# KiCad board HYDRA_VMM3_Adapter_V3.kicad_pcb (continued)
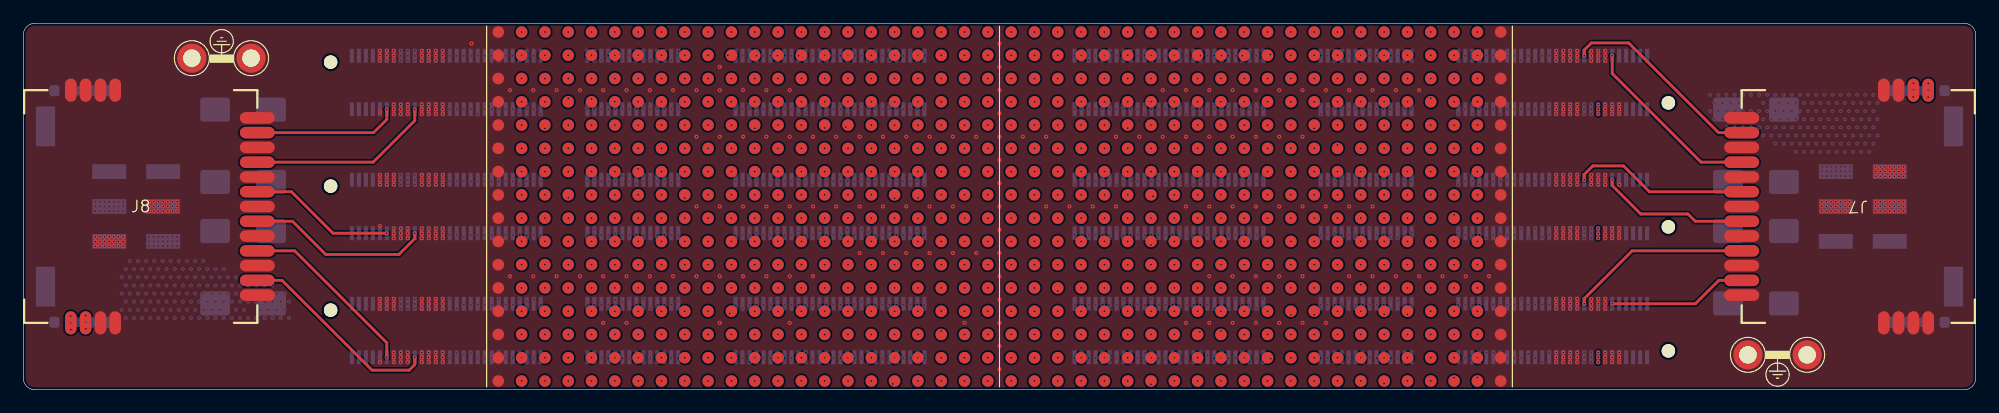
[diagram p0: board, top side]
## Routing (per net, layer and track width the routed paths; a pad name or vN(x,y) marks a point on that pad's centre or on a via; arc(x,y) is an arc through that point) (continued)
Col_32-Row_15: length 9.2
  In1.Cu w0.1: v6(111.31,2.7) 111.31,2.73 110.56,3.47 103.47,3.47 v1(102.75,2.75)
Col_32-Row_16: length 4.3
  In1.Cu w0.1: v1(102.75,0.75) 104.12,0.75 105.78,2.4 v6(106.4,2.4)
Col_33-Row_1: length 2.2
  In5.Cu w0.1: v7(104.75,30.75) 105.19,30.3 v3(105.19,28.71)
Col_33-Row_2:
  vias: v8(104.59,28.71)
Col_33-Row_3: length 2.3
  In5.Cu w0.1: v3(104,28.71) 104,27.5 v7(104.75,26.75)
Col_33-Row_4: length 1.9
  In1.Cu w0.1: v6(106.4,24.11) 105.39,24.11 v1(104.75,24.75)
Col_33-Row_5: length 7
  In1.Cu w0.1: v1(104.75,22.75) 105.71,23.71 v6(111.31,23.71)
Col_33-Row_6: length 10.3
  In5.Cu w0.1: v7(104.75,20.75) 105.37,20.13 111.86,20.13 113.71,18.28 v3(113.71,17.91)
Col_33-Row_7: length 8.6
  In3.Cu w0.1: v5(113.11,18.1) 112.91,18.29 105.21,18.29 v4(104.75,18.75)
Col_33-Row_8: length 8.2
  In5.Cu w0.1: v3(112.5,17.91) 112.12,17.52 105.52,17.52 v7(104.75,16.75)
Col_33-Row_9: length 1.8
  In5.Cu w0.1: v7(104.75,14.75) 104,13.99 v3(104,13.31)
Col_33-Row_10: length 1.2
  In1.Cu w0.1: v1(104.75,12.75) 104.59,12.91 v6(104.59,13.84)
Col_33-Row_11: length 2.7
  In5.Cu w0.1: v7(104.75,10.75) 105.19,11.19 v3(105.19,13.31)
Col_33-Row_12: length 2
  In1.Cu w0.1: v6(106.4,7.8) 105.7,7.8 v1(104.75,8.75)
Col_33-Row_13: length 6.8
  In1.Cu w0.1: v1(104.75,6.75) 105.31,7.31 v6(111.31,7.31)
Col_33-Row_14: length 9.8
  In3.Cu w0.1: v5(113.71,2.71) 112.19,4.22 105.28,4.22 v4(104.75,4.75)
Col_33-Row_15: length 9.1
  In3.Cu w0.1: v4(104.75,2.75) 105.61,3.61 112.21,3.61 v5(113.1,2.71)
Col_33-Row_16: length 8.6
  In5.Cu w0.1: v3(112.5,2.71) 111.68,1.89 105.89,1.89 v7(104.75,0.75)
Col_34-Row_1: length 5.4
  In5.Cu w0.1: v7(106.75,30.75) 108.79,28.71 v3(111.31,28.71)
Col_34-Row_2: length 0.7
  In5.Cu w0.1: v7(107,28.81) 106.5,28.81 v3(106.4,28.71)
Col_34-Row_3: length 2.4
  In5.Cu w0.1: v7(106.75,26.75) 106.75,27.75 v3(105.8,28.71)
Col_34-Row_4: length 5.4
  In5.Cu w0.1: v3(111.91,24.11) 107.39,24.11 v7(106.75,24.75)
Col_34-Row_5: length 6.3
  In5.Cu w0.1: v7(106.75,22.75) 107.29,23.29 111.69,23.29 v3(112.5,24.11)
Col_34-Row_6: length 9.9
  In5.Cu w0.1: v7(106.75,20.75) 107.11,20.39 113.03,20.39 v3(115.5,17.91)
Col_34-Row_7: length 8.9
  In1.Cu w0.1: v6(114.91,17.91) 113.62,19.19 107.19,19.19 v1(106.75,18.75)
Col_34-Row_8: length 8
  In3.Cu w0.1: v4(106.75,16.75) 107.38,17.38 112.67,17.38 112.9,17.61 114.03,17.61 v5(114.31,17.89)
Col_34-Row_9: length 1.8
  In5.Cu w0.1: v7(106.75,14.75) 105.8,13.79 v3(105.8,13.31)
Col_34-Row_10: length 1.2
  In1.Cu w0.1: v6(106.4,13.83) 106.75,13.47 v1(106.75,12.75)
Col_34-Row_11: length 5.6
  In5.Cu w0.1: v3(111.31,13.31) 109.97,13.31 107.41,10.75 v7(106.75,10.75)
Col_34-Row_12: length 5.8
  In5.Cu w0.1: v3(111.91,7.31) 111.5,7.71 107.79,7.71 v7(106.75,8.75)
Col_34-Row_13: length 6
  In5.Cu w0.1: v3(112.5,7.31) 112.13,6.93 107.03,6.93 106.98,6.98 v7(106.75,6.75)
Col_34-Row_14: length 10.3
  In3.Cu w0.1: v5(115.5,2.79) 115.5,3.38 113.64,5.25 107.25,5.25 v4(106.75,4.75)
Col_34-Row_15: length 8.2
  In3.Cu w0.1: v5(114.91,2.71) 114.52,2.32 107.37,2.32 v4(107.03,2.67)
Col_34-Row_16: length 8.4
  In5.Cu w0.1: v3(114.31,2.79) 114.31,2.78 112.95,1.42 107.42,1.42 v7(106.75,0.75)
Col_35-Row_1: length 5.2
  In5.Cu w0.1: v7(108.75,30.75) 109.72,30.75 110.78,29.69 112.12,29.69 v3(113.1,28.71)
Col_35-Row_2: length 4.2
  In1.Cu w0.1: v6(112.5,28.31) 112.19,27.99 109.51,27.99 v1(108.75,28.75)
Col_35-Row_3: length 4
  In3.Cu w0.1: v4(108.75,26.75) 109.94,26.75 v5(111.91,28.71)
Col_35-Row_4: length 4.8
  In5.Cu w0.1: v7(108.75,24.75) 109.02,25.02 112.19,25.02 v3(113.1,24.11)
Col_35-Row_5: length 5.5
  In5.Cu w0.1: v7(108.75,22.75) 109.01,23.01 112.6,23.01 v3(113.71,24.11)
Col_35-Row_6: length 10.2
  In3.Cu w0.1: v4(108.75,20.75) 109.5,20 115.99,20 117.31,18.68 v5(117.31,17.91)
Col_35-Row_7: length 8.5
  In3.Cu w0.1: v5(116.71,18.05) 115.69,19.07 109.07,19.07 v4(108.75,18.75)
Col_35-Row_8: length 7.9
  In3.Cu w0.1: v4(108.75,16.75) 109.13,17.13 112.78,17.13 113.01,17.36 115.41,17.36 v5(116.1,18.05)
Col_35-Row_9: length 3.8
  In5.Cu w0.1: v3(111.91,13.31) 111.22,14 109.5,14 v7(108.75,14.75)
Col_35-Row_10: length 4.4
  In1.Cu w0.1: v1(108.75,12.75) 109.22,12.28 111.31,12.28 v6(112.5,13.48)
Col_35-Row_11: length 5.4
  In5.Cu w0.1: v7(108.75,10.75) 110.55,10.75 v3(113.1,13.31)
Col_35-Row_12: length 4.9
  In1.Cu w0.1: v1(108.75,8.75) 109.25,8.25 112.24,8.25 v6(113.1,7.39)
Col_35-Row_13: length 5.5
  In3.Cu w0.1: v4(108.75,6.44) 110.1,7.79 v5(113.71,7.79)
Col_35-Row_14: length 9.4
  In5.Cu w0.1: v3(117.31,2.71) 116.27,3.75 110.83,3.75 109.83,4.75 v7(108.75,4.75)
Col_35-Row_15: length 8.5
  In5.Cu w0.1: v3(116.71,2.71) 116.04,3.37 109.37,3.37 v7(108.75,2.75)
Col_35-Row_16: length 8.2
  In5.Cu w0.1: v7(108.75,0.75) 108.86,0.86 114.15,0.86 116,2.71 v3(116.1,2.71)
Col_36-Row_1: length 5
  In5.Cu w0.1: v3(114.91,28.71) 113.66,29.96 112.39,29.96 111.59,30.75 v7(110.75,30.75)
Col_36-Row_2: length 4
  In3.Cu w0.1: v4(110.75,28.75) 111.23,29.23 113.78,29.23 v5(114.31,28.71)
Col_36-Row_3: length 3.8
  In5.Cu w0.1: v7(110.75,26.75) 111.75,26.75 v3(113.71,28.71)
Col_36-Row_4: length 3.8
  In1.Cu w0.1: v1(110.75,24.75) 111.13,24.37 114.04,24.37 v6(114.31,24.11)
Col_36-Row_5: length 4.8
  In5.Cu w0.1: v3(114.91,24.11) 114.43,23.64 113.6,23.64 112.42,22.46 v7(110.75,22.46)
Col_36-Row_6: length 9.5
  In3.Cu w0.1: v5(119.1,17.91) 118.91,17.91 116.47,20.35 111.15,20.35 v4(110.75,20.75)
Col_36-Row_7: length 9.2
  In1.Cu w0.1: v2(113.8,16.62) 113.79,16.62 111.66,18.75 v1(110.75,18.75)
  In5.Cu w0.1: v2(113.8,16.62) 113.85,16.56 117.16,16.56 v3(118.5,17.91)
Col_36-Row_8: length 7.6
  In5.Cu w0.1: v7(110.75,16.75) 110.99,16.99 116.99,16.99 v3(117.91,17.91)
Col_36-Row_9: length 3.6
  In5.Cu w0.1: v7(110.75,14.75) 112.27,14.75 v3(113.71,13.31)
Col_36-Row_10: length 4.6
  In1.Cu w0.1: v6(114.31,13.31) 113.76,13.85 111.25,13.85 110.75,13.36 v1(110.75,12.75)
Col_36-Row_11: length 5.2
  In3.Cu w0.1: v4(110.75,10.75) 112.34,12.34 113.93,12.34 v5(114.91,13.31)
Col_36-Row_12: length 5
  In1.Cu w0.1: v1(110.75,8.75) 111.22,9.22 113.15,9.22 114.31,8.06 v6(114.31,7.31)
Col_36-Row_13: length 4.5
  In5.Cu w0.1: v7(110.75,6.45) 114.05,6.45 v3(114.91,7.31)
Col_36-Row_14: length 9.2
  In1.Cu w0.1: v2(117.61,3.91) 111.59,3.91 v1(110.75,4.75)
  In5.Cu w0.1: v3(119.1,2.71) 117.9,3.91 v2(117.61,3.91)
Col_36-Row_15: length 9.5
  In1.Cu w0.1: v2(118.34,1.63) 118.1,1.87 111.05,1.87 110.75,2.16 v1(110.75,2.75)
  In5.Cu w0.1: v2(118.34,1.63) 118.34,2.54 v3(118.5,2.71)
Col_36-Row_16: length 8
  In1.Cu w0.1: v2(116.21,1.44) 111.91,1.44 111.22,0.75 v1(110.75,0.75)
  In5.Cu w0.1: v2(116.21,1.44) 116.64,1.44 v3(117.91,2.71)
Col_37-Row_1: length 4.8
  In5.Cu w0.1: v3(116.71,28.71) 115.43,29.99 114.52,29.99 113.75,30.75 v7(112.75,30.75)
Col_37-Row_2: length 3.6
  In1.Cu w0.1: v6(116.1,28.71) 115.77,28.38 113.12,28.38 v1(112.75,28.75)
Col_37-Row_3: length 3.6
  In5.Cu w0.1: v3(115.5,28.71) 113.55,26.75 v7(112.75,26.75)
Col_37-Row_4: length 4.5
  In3.Cu w0.1: v5(116.71,24.11) 115.78,25.03 113.03,25.03 v4(112.75,24.75)
Col_37-Row_5: length 3.9
  In1.Cu w0.1: v6(116.1,24.11) 115.22,24.11 113.85,22.75 v1(112.75,22.75)
Col_37-Row_6: length 4.5
  In3.Cu w0.1: v4(112.75,21.04) 112.75,21.8 115.06,24.11 v5(115.5,24.11)
Col_37-Row_7: length 11.7
  In1.Cu w0.1: v1(112.75,18.75) 114.02,17.48 123.28,17.48 v6(123.72,17.91)
Col_37-Row_8: length 10.7
  In3.Cu w0.1: v4(112.75,16.75) 113.11,17.11 119.13,17.11 119.68,17.65 v5(123.12,17.65)
Col_37-Row_9: length 3.1
  In1.Cu w0.1: v6(115.5,13.82) 114.62,13.82 113.69,14.75 v1(112.75,14.75)
Col_37-Row_10: length 4.2
  In1.Cu w0.1: v2(114.43,12.07) 113.88,12.07 113.21,12.75 v1(112.75,12.75)
  In5.Cu w0.1: v3(116.1,13.31) 114.87,12.07 v2(114.43,12.07)
Col_37-Row_11: length 5
  In5.Cu w0.1: v7(112.75,10.75) 114.11,10.75 116.67,13.31 v3(116.71,13.31)
Col_37-Row_12: length 3.4
  In5.Cu w0.1: v3(115.5,7.31) 114.06,8.75 v7(112.75,8.75)
Col_37-Row_13: length 3.6
  In3.Cu w0.1: v4(112.75,6.75) 115.55,6.75 v5(116.1,7.31)
Col_37-Row_14: length 12.9
  In5.Cu w0.1: v7(112.75,4.75) 113.34,5.34 119.81,5.34 120.72,4.44 122.59,4.44 v3(124.31,2.71)
Col_37-Row_15: length 12.3
  In1.Cu w0.1: v2(119.71,1.56) 119.02,2.25 112.99,2.25 112.75,2.48 v1(112.75,2.75)
  In5.Cu w0.1: v3(123.72,2.71) 122.34,1.34 119.93,1.34 v2(119.71,1.56)
Col_37-Row_16: length 11.6
  In3.Cu w0.1: v9(120.81,1.78) 120.25,2.33 114.88,2.33 113.3,0.75 v4(112.75,0.75)
  In5.Cu w0.1: v3(123.12,2.71) 122.18,1.78 v9(120.81,1.78)
Col_38-Row_1: length 5.2
  In5.Cu w0.1: v3(119.1,28.71) 117.06,30.75 v7(114.75,30.75)
Col_38-Row_2: length 3.7
  In1.Cu w0.1: v6(117.91,28.71) 117.91,28.72 117.28,29.35 115.35,29.35 v1(114.75,28.75)
Col_38-Row_3: length 3.4
  In5.Cu w0.1: v3(117.31,28.71) 115.34,26.75 v7(114.75,26.75)
Col_38-Row_4: length 4.3
  In1.Cu w0.1: v1(114.75,24.75) 115.12,25.12 117.48,25.12 v2(117.5,25.1)
  In5.Cu w0.1: v2(117.5,25.1) 117.52,25.1 v3(118.5,24.11)
Col_38-Row_5: length 3.7
  In3.Cu w0.1: v5(117.91,24.11) 116.55,22.75 v4(114.75,22.75)
Col_38-Row_6: length 4.4
  In5.Cu w0.1: v3(117.31,24.11) 114.75,21.55 v7(114.75,20.75)
Col_38-Row_7: length 11
  In1.Cu w0.1: v1(114.75,18.75) 115.19,19.19 121.31,19.19 v10(121.65,18.85)
  In3.Cu w0.1: v5(124.91,17.65) 124.19,18.38 122.12,18.38 v10(121.65,18.85)
Col_38-Row_8: length 10.2
  In1.Cu w0.1: v2(119.85,17.02) 119.67,17.21 115.21,17.21 v1(114.75,16.75)
  In5.Cu w0.1: v3(124.31,17.91) 123.61,17.21 120.04,17.21 v2(119.85,17.02)
Col_38-Row_9: length 3.2
  In5.Cu w0.1: v3(117.31,13.31) 115.87,14.75 v7(114.75,14.75)
Col_38-Row_10: length 4
  In1.Cu w0.1: v1(114.75,12.75) 114.99,12.75 116.19,13.96 117,13.96 v6(117.91,13.05)
Col_38-Row_11: length 5.6
  In3.Cu w0.1: v5(118.5,13.85) 116.97,13.85 114.75,11.63 v4(114.75,10.75)
Col_38-Row_12: length 2.7
  In5.Cu w0.1: v7(114.75,9.03) 114.99,9.03 v3(116.71,7.31)
Col_38-Row_13: length 3
  In1.Cu w0.1: v1(114.75,6.75) 115.79,7.79 v6(117.31,7.79)
Col_38-Row_14: length 12.1
  In1.Cu w0.1: v2(121.57,3.52) 121.62,3.57 125.72,3.57 v6(126.12,3.18)
  In5.Cu w0.1: v7(114.75,4.75) 115.16,4.34 119.61,4.34 120.42,3.52 v2(121.57,3.52)
Col_38-Row_15: length 11.8
  In1.Cu w0.1: v1(114.75,2.75) 115.43,3.43 118.58,3.43 v10(119.06,3.91) ; v6(125.52,3.18) 125.49,3.15 121.91,3.15 v10(121.66,2.89)
  In3.Cu w0.1: v10(119.06,3.91) 120.63,3.91 v10(121.66,2.89)
Col_38-Row_16: length 11
  In5.Cu w0.1: v3(124.91,2.71) 123.16,0.95 114.95,0.95 v7(114.75,0.75)
Col_39-Row_1: length 7.8
  In1.Cu w0.1: v6(123.72,28.71) 122.05,30.38 117.12,30.38 v1(116.75,30.75)
Col_39-Row_2: length 7.1
  In1.Cu w0.1: v1(116.75,28.75) 117.6,27.89 v2(122.31,27.89)
  In5.Cu w0.1: v3(123.12,28.71) 122.31,27.91 v2(122.31,27.89)
Col_39-Row_3: length 2.7
  In5.Cu w0.1: v7(116.75,26.75) 118.5,28.5 v3(118.5,28.71)
Col_39-Row_4: length 7.2
  In1.Cu w0.1: v1(116.75,24.75) 117.39,24.11 v6(123.72,24.11)
Col_39-Row_5: length 6.8
  In1.Cu w0.1: v1(116.75,22.75) 117.71,23.71 v6(123.12,23.71)
Col_39-Row_6: length 4.3
  In5.Cu w0.1: v7(116.75,20.75) 116.75,21.75 v3(119.1,24.11)
Col_39-Row_7: length 9.7
  In1.Cu w0.1: v6(126.12,17.91) 125.71,18.32 117.18,18.32 v1(116.75,18.75)
Col_39-Row_8: length 9.7
  In1.Cu w0.1: v2(117.78,16.55) 116.95,16.55 v1(116.75,16.75)
  In5.Cu w0.1: v2(117.78,16.55) 117.79,16.55 124.6,16.55 125.52,17.46 v3(125.52,17.91)
Col_39-Row_9: length 2.9
  In1.Cu w0.1: v6(119.1,13.54) 117.96,13.54 v1(116.75,14.75)
Col_39-Row_10: length 6.8
  In3.Cu w0.1: v5(123.12,13.61) 120.15,13.61 119.21,12.67 116.83,12.67 v4(116.75,12.75)
Col_39-Row_11: length 8
  In5.Cu w0.1: v3(123.72,13.31) 123.2,12.79 120.31,12.79 118.27,10.75 v7(116.75,10.75)
Col_39-Row_12: length 1.6
  In5.Cu w0.1: v3(117.91,7.66) 117.91,7.72 116.88,8.75 v7(116.75,8.75)
Col_39-Row_13: length 2.1
  In5.Cu w0.1: v3(118.5,7.31) 117.66,6.47 v7(116.75,6.47)
Col_39-Row_14: length 13.4
  In1.Cu w0.1: v2(116.75,5.72) 116.75,5.71 v1(116.75,4.75)
  In5.Cu w0.1: v3(127.91,2.71) 125.86,4.76 120.74,4.76 119.79,5.72 v2(116.75,5.72)
Col_39-Row_15: length 11.9
  In1.Cu w0.1: v1(116.75,2.75) 117.14,3.14 119.23,3.14 120.37,4.28 123.74,4.28 v15(123.85,4.39)
  In5.Cu w0.1: v15(123.85,4.39) 124.27,3.97 126.06,3.97 v3(127.31,2.71)
Col_39-Row_16: length 10.9
  In5.Cu w0.1: v3(126.72,2.71) 124.53,0.53 v7(116.75,0.53)
Col_40-Row_1: length 7.6
  In5.Cu w0.1: v7(118.75,30.75) 119.43,30.07 124.16,30.07 v3(125.52,28.71)
Col_40-Row_2: length 6.4
  In3.Cu w0.1: v4(118.75,28.75) 119.2,28.3 v5(124.91,28.3)
Col_40-Row_3: length 6.4
  In5.Cu w0.1: v3(124.31,28.71) 123.12,27.52 119.52,27.52 v7(118.75,26.75)
Col_40-Row_4: length 7
  In5.Cu w0.1: v7(118.75,24.75) 119,24.5 125.12,24.5 v3(125.52,24.11)
Col_40-Row_5: length 7
  In5.Cu w0.1: v7(118.75,22.75) 123.98,22.75 124.91,23.68 v3(124.91,24.11)
Col_40-Row_6: length 6.8
  In1.Cu w0.1: v1(118.75,20.75) 120.08,20.75 122.5,23.16 123.77,23.16 v6(124.31,23.71)
Col_40-Row_7: length 8.9
  In5.Cu w0.1: v3(127.31,17.98) 127.01,18.28 119.22,18.28 v7(118.75,18.75)
Col_40-Row_8: length 9
  In1.Cu w0.1: v2(119.72,16.07) 119.43,16.07 v1(118.75,16.75)
  In5.Cu w0.1: v2(119.72,16.07) 124.87,16.07 v3(126.72,17.91)
Col_40-Row_9: length 6.2
  In5.Cu w0.1: v3(124.31,13.31) 123.53,14.09 119.41,14.09 v7(118.75,14.75)
Col_40-Row_10: length 7.1
  In1.Cu w0.1: v2(121.81,12.12) 121.68,12.25 119.25,12.25 v1(118.75,12.75)
  In5.Cu w0.1: v2(121.81,12.12) 122.08,11.85 123.44,11.85 124.91,13.31 v3(124.91,13.31)
Col_40-Row_11: length 8
  In1.Cu w0.1: v6(125.52,13.03) 125.52,12.59 124.62,11.7 119.7,11.7 v1(118.75,10.75)
Col_40-Row_12: length 1.6
  In5.Cu w0.1: v3(119.1,7.31) 119.1,8.39 v7(118.75,8.75)
Col_40-Row_13: length 4.7
  In5.Cu w0.1: v3(123.12,7.31) 120.37,7.31 119.53,6.47 v7(118.75,6.47)
Col_40-Row_14: length 12.9
  In1.Cu w0.1: v1(118.75,4.75) 119.88,4.75 v2(120.96,5.82)
  In5.Cu w0.1: v2(120.96,5.82) 120.97,5.8 126.94,5.8 129.72,3.02 v3(129.72,2.71)
Col_40-Row_15: length 11.3
  In1.Cu w0.1: v2(127.38,4.06) 127.22,3.9 121.37,3.9 120.22,2.75 v1(118.75,2.75)
  In5.Cu w0.1: v2(127.38,4.06) 128.36,3.08 129.11,3.08 v3(129.12,3.09)
Col_40-Row_16: length 10.9
  In3.Cu w0.1: v4(118.75,0.75) 119.1,0.4 126.21,0.4 v5(128.52,2.71)
Col_41-Row_1: length 7.7
  In5.Cu w0.1: v7(120.75,30.75) 125.69,30.75 127.31,29.13 v3(127.31,28.71)
Col_41-Row_2: length 6.6
  In3.Cu w0.1: v4(120.75,28.75) 121.55,29.55 125.88,29.55 v5(126.72,28.71)
Col_41-Row_3: length 6.2
  In5.Cu w0.1: v7(120.75,26.75) 121.27,27.27 124.68,27.27 v3(126.12,28.71)
Col_41-Row_4: length 7.3
  In5.Cu w0.1: v7(120.75,25.05) 121.14,25.44 125.98,25.44 v3(127.31,24.11)
Col_41-Row_5: length 6.4
  In3.Cu w0.1: v5(126.72,23.71) 125.75,22.75 v4(120.75,22.75)
Col_41-Row_6: length 6.8
  In5.Cu w0.1: v3(126.12,24.11) 123.31,21.31 121.31,21.31 v7(120.75,20.75)
Col_41-Row_7: length 8.1
  In5.Cu w0.1: v3(128.52,17.91) 127.68,18.75 v7(120.75,18.75)
Col_41-Row_8: length 7.6
  In1.Cu w0.1: v6(127.91,17.91) 127.18,17.18 121.18,17.18 v1(120.75,16.75)
Col_41-Row_9: length 6
  In5.Cu w0.1: v3(126.12,13.31) 125.09,14.34 121.16,14.34 v7(120.75,14.75)
Col_41-Row_10: length 6.3
  In3.Cu w0.1: v5(126.72,13.45) 124.4,13.45 123.69,12.75 v4(120.75,12.75)
Col_41-Row_11: length 7.6
  In5.Cu w0.1: v7(120.75,10.75) 124.75,10.75 v3(127.31,13.31)
Col_41-Row_12: length 3.6
  In5.Cu w0.1: v7(120.75,8.75) 121.61,7.89 123.13,7.89 v3(123.72,7.31)
Col_41-Row_13: length 4.2
  In5.Cu w0.1: v7(120.75,6.75) 121.22,6.28 123.28,6.28 v3(124.31,7.31)
Col_41-Row_14: length 7.8
  In1.Cu w0.1: v2(124.22,6.18) 122.18,6.18 v1(120.75,4.75)
  In5.Cu w0.1: v2(124.22,6.18) 126.46,6.18 127.31,7.04 v3(127.31,7.31)
Col_41-Row_15: length 10.8
  In1.Cu w0.1: v6(130.91,3.2) 129.94,3.2 129.16,2.42 125.2,2.42 125.09,2.32 124.36,2.32 124.27,2.23 121.27,2.23 v1(120.75,2.75)
Col_41-Row_16: length 10.2
  In1.Cu w0.1: v6(130.31,2.39) 130.01,2.08 125.33,2.08 125.05,1.8 121.8,1.8 v1(120.75,0.75)
Col_42-Row_1: length 7.2
  In3.Cu w0.1: v4(122.75,30.75) 127.08,30.75 v5(129.12,28.71)
Col_42-Row_2: length 6.4
  In1.Cu w0.1: v6(128.52,28.32) 127.97,27.77 123.73,27.77 v1(122.75,28.75)
Col_42-Row_3: length 6
  In5.Cu w0.1: v7(122.75,26.75) 125.96,26.75 v3(127.91,28.71)
Col_42-Row_4: length 6.6
  In3.Cu w0.1: v4(122.75,24.75) 128.47,24.75 v5(129.12,24.11)
Col_42-Row_5: length 6.4
  In1.Cu w0.1: v1(122.75,22.75) 122.86,22.64 123.89,22.64 124.44,23.19 127.59,23.19 v6(128.52,24.11)
Col_42-Row_6: length 6.6
  In5.Cu w0.1: v3(127.91,24.11) 124.56,20.75 v7(122.75,20.75)
Col_42-Row_7: length 7.3
  In3.Cu w0.1: v5(129.72,17.91) 128.88,18.75 v4(122.75,18.75)
Col_42-Row_8: length 7.1
  In1.Cu w0.1: v1(122.75,16.75) 123.23,16.27 127.73,16.27 v6(129.12,17.65)
Col_42-Row_9: length 5.9
  In5.Cu w0.1: v3(127.91,13.31) 126.19,15.03 v7(122.75,15.03)
Col_42-Row_10: length 6.2
  In1.Cu w0.1: v6(128.52,13.82) 123.82,13.82 v1(122.75,12.75)
Col_42-Row_11: length 7.3
  In1.Cu w0.1: v1(122.75,10.75) 123.31,11.31 127.4,11.31 v6(129.12,13.03)
Col_42-Row_12: length 2.8
  In5.Cu w0.1: v3(124.91,7.31) 123.47,8.75 v7(122.75,8.75)
Col_42-Row_13: length 3.2
  In1.Cu w0.1: v6(125.52,7.79) 123.79,7.79 v1(122.75,6.75)
Col_42-Row_14: length 7.4
  In1.Cu w0.1: v1(122.75,4.75) 123.23,5.23 127.03,5.23 v6(129.12,7.31)
Col_42-Row_15: length 8.6
  In3.Cu w0.1: v4(122.75,2.75) 122.75,4.01 126.53,7.79 v5(128.52,7.79)
Col_42-Row_16: length 8.4
  In3.Cu w0.1: v5(127.91,7.31) 127.91,6.6 122.75,1.43 v4(122.75,1.04)
Col_43-Row_1: length 7
  In1.Cu w0.1: v1(124.75,30.75) 124.79,30.71 128.91,30.71 v6(130.91,28.71)
Col_43-Row_2: length 5.8
  In1.Cu w0.1: v1(124.75,28.75) 125.03,29.03 130,29.03 v6(130.31,28.71)
Col_43-Row_3: length 5.6
  In1.Cu w0.1: v6(129.72,28.31) 128.16,26.75 v1(124.75,26.75)
Col_43-Row_4: length 7.3
  In1.Cu w0.1: v1(124.75,24.75) 125.78,25.78 129.25,25.78 v6(130.91,24.11)
Col_43-Row_5: length 6.7
  In1.Cu w0.1: v1(124.75,22.75) 125.41,22.09 128.3,22.09 v6(130.31,24.11)
Col_43-Row_6: length 7
  In3.Cu w0.1: v5(129.72,24.11) 129.72,23.06 127.41,20.75 v4(124.75,20.75)
Col_43-Row_7: length 6.5
  In1.Cu w0.1: v6(130.91,17.91) 130.08,18.75 v1(124.75,18.75)
Col_43-Row_8: length 6.5
  In1.Cu w0.1: v1(124.75,16.75) 127.34,16.75 129.05,18.45 129.78,18.45 v6(130.31,17.91)
Col_43-Row_9: length 5.4
  In1.Cu w0.1: v6(129.72,13.85) 128.71,14.86 124.86,14.86 v1(124.75,14.75)
Col_43-Row_10: length 6.4
  In1.Cu w0.1: v1(124.75,12.75) 124.75,13.24 125.08,13.57 128.23,13.57 128.36,13.44 129.99,13.44 v6(130.31,13.12)
Col_43-Row_11: length 7.6
  In1.Cu w0.1: v1(124.75,10.75) 128.97,10.75 130.91,12.69 v6(130.91,13.31)
Col_43-Row_12: length 2.3
  In5.Cu w0.1: v3(126.12,7.31) 126.12,7.96 125.33,8.75 v7(124.75,8.75)
Col_43-Row_13: length 2.2
  In5.Cu w0.1: v3(126.72,7.31) 126.16,6.75 v7(124.75,6.75)
Col_43-Row_14: length 7.2
  In1.Cu w0.1: v6(130.91,7.31) 128.35,4.75 v1(124.75,4.75)
Col_43-Row_15: length 8.5
  In1.Cu w0.1: v1(124.75,2.75) 126.97,2.75 129.8,5.58 v10(130.31,5.58)
  In3.Cu w0.1: v10(130.31,5.58) v5(130.31,7.31)
Col_43-Row_16: length 8.9
  In3.Cu w0.1: v5(129.72,7.31) 129.72,6.88 128.37,5.53 128.37,3.67 125.74,1.05 v4(124.75,1.05)
Heimtime_A: length 49.2
  Top w0.245: v8(33.59,24.11) 33.59,23.13 30.01,19.56 J8.4 ; J8.6 23.09,14.48 25.94,11.63 32.23,11.63 33.59,12.99 v8(33.59,13.45) ; J8.8 22.2,9.4 29.92,1.68 33.1,1.68 33.59,2.16 v8(33.59,2.79)
Heimtime_B: length 48.3
  Top w0.245: v8(133.91,28.71) 133.91,29.2 134.52,29.81 137.73,29.81 145.44,22.1 J7.8 ; J7.6 139.51,17.02 137.29,19.24 134.65,19.24 133.91,18.5 v8(133.91,18.05) ; v8(133.91,7.39) 133.91,7.83 138.03,11.94 J7.4
Master_Trigg_A: length 40.7
  Top w0.245: v8(31.19,13.45) 26.57,13.45 23,17.02 J8.5 ; v8(31.19,24.11) 31.19,23.23 30.05,22.1 J8.3 ; J8.7 23.28,11.94 31.19,4.03 v8(31.19,2.79)
Master_Trigg_B: length 40.6
  Top w0.245: v8(136.31,18.05) 136.31,17.55 138.76,15.11 142.81,15.11 143.44,14.48 J7.5 ; J7.7 143.94,19.56 136.31,27.18 v8(136.31,28.71) ; v8(136.31,7.39) 143.45,7.39 145.46,9.4 J7.3
P1A:
  vias: v3(8.44,9.67) v3(8.44,8.27) v3(8.44,6.87) v3(8.79,10.37) v3(8.79,8.97) v3(8.79,7.57) v3(8.79,6.17) v3(9.14,11.07) v3(9.14,9.67) v3(9.14,8.27) v3(9.14,6.87) v3(9.49,10.37) v3(9.49,8.97) v3(9.49,7.57) v3(9.49,6.17) v3(9.84,11.07) v3(9.84,9.67) v3(9.84,8.27) v3(9.84,6.87) v3(10.19,10.37) v3(10.19,8.97) v3(10.19,7.57) v3(10.19,6.17) v3(10.54,11.07) v3(10.54,9.67) v3(10.54,8.27) v3(10.54,6.87) v3(10.79,13.15) v3(10.79,12.75) v3(10.79,12.35) v3(10.89,10.37) v3(10.89,8.97) v3(10.89,7.57) v3(10.89,6.17) v3(11.19,13.15) v3(11.19,12.75) v3(11.19,12.35) v3(11.24,11.07) v3(11.24,9.67) v3(11.24,8.27) v3(11.24,6.87) v3(11.59,13.15) v3(11.59,12.75) v3(11.59,12.35) v3(11.59,10.37) v3(11.59,8.97) v3(11.59,7.57) v3(11.59,6.17) v3(11.94,11.07) v3(11.94,9.67) v3(11.94,8.27) v3(11.94,6.87) v3(11.99,13.15) v3(11.99,12.75) v3(11.99,12.35) v3(12.39,13.15) v3(12.39,12.75) v3(12.39,12.35) v3(12.29,10.37) v3(12.29,8.97) v3(12.29,7.57) v3(12.29,6.17) v3(12.64,11.07) v3(12.64,9.67) v3(12.64,8.27) v3(12.64,6.87) v3(12.79,13.15) v3(12.79,12.75) v3(12.79,12.35) v3(12.99,10.37) v3(12.99,8.97) v3(12.99,7.57) v3(12.99,6.17) v3(13.19,13.15) v3(13.19,12.75) v3(13.19,12.35) v3(13.34,11.07) v3(13.34,9.67) v3(13.34,8.27) v3(13.34,6.87) v3(13.69,10.37) v3(13.69,8.97) v3(13.69,7.57) v3(13.69,6.17) v3(14.04,11.07) v3(14.04,9.67) v3(14.04,8.27) v3(14.04,6.87) v3(14.39,10.37) v3(14.39,8.97) v3(14.39,7.57) v3(14.39,6.17) v3(14.74,11.07) v3(14.74,9.67) v3(14.74,8.27) v3(14.74,6.87) v3(15.09,10.37) v3(15.09,8.97) v3(15.09,7.57) v3(15.09,6.17) v3(15.44,11.07) v3(15.44,9.67) v3(15.44,8.27) v3(15.44,6.87) v3(15.79,10.37) v3(15.79,8.97) v3(15.79,7.57) v3(15.79,6.17) v3(16.14,9.67) v3(16.14,8.27) v3(16.14,6.87) v3(16.49,10.37) v3(16.49,8.97) v3(16.49,7.57) v3(16.49,6.17) v3(16.84,9.67) v3(16.84,8.27) v3(16.84,6.87) v3(17.19,10.37) v3(17.19,8.97) v3(17.19,7.57) v3(17.19,6.17) v3(17.54,9.67) v3(17.54,8.27) v3(17.89,8.97) v3(17.89,7.57) v3(17.89,6.17) v3(18.24,9.67) v3(18.24,8.27) v3(18.24,6.87) v3(18.59,8.97) v3(18.59,7.57) v3(18.59,6.17) v3(18.94,9.67) v3(18.94,8.27) v3(18.94,6.87) v3(19.29,8.97) v3(19.29,7.57) v3(19.29,6.17) v3(19.64,9.67) v3(19.64,8.27) v3(19.99,8.97) v3(19.99,7.57) v3(19.99,6.17) v3(20.34,8.27) v3(20.34,6.87) v3(20.69,8.97) v3(20.69,7.57) v3(20.69,6.17) v3(21.04,8.27) v3(21.04,6.87) v3(21.39,8.97) v3(21.39,7.57) v3(21.39,6.17) v3(21.74,8.27) v3(21.74,6.87) v3(22.09,7.57) v3(22.09,6.17) v3(22.44,8.27) v3(22.44,6.87) v3(22.79,7.57) v3(22.79,6.17) v3(32.39,29.13) v3(32.39,28.71) v3(32.39,28.3) v3(32.39,18.47) v3(32.39,18.05) v3(32.39,17.64) v3(32.39,7.8) v3(32.39,7.38) v3(32.39,6.97) v3(32.98,29.12) v3(32.98,28.7) v3(32.98,28.29) v3(32.98,18.46) v3(32.98,18.04) v3(32.98,17.63) v3(32.98,7.79) v3(32.98,7.37) v3(32.98,6.96) v3(33.59,29.12) v3(33.59,28.7) v3(33.59,28.29) v3(33.59,18.46) v3(33.59,18.04) v3(33.59,17.63) v3(33.59,7.79) v3(33.59,7.37) v3(33.59,6.96) v7(4.07,6.32) v7(4.08,5.75) v7(4.07,5.17) v7(5.36,6.38) v7(5.37,5.81) v7(5.36,5.23)
P1B:
  vias: v3(133.91,24.52) v3(133.91,24.1) v3(133.91,23.69) v3(133.91,13.86) v3(133.91,13.44) v3(133.91,13.03) v3(133.91,3.2) v3(133.91,2.78) v3(133.91,2.37) v3(134.52,24.52) v3(134.52,24.1) v3(134.52,23.69) v3(134.52,13.86) v3(134.52,13.44) v3(134.52,13.03) v3(134.52,3.2) v3(134.52,2.78) v3(134.52,2.37) v3(144.72,25.35) v3(144.72,23.95) v3(145.07,24.65) v3(145.07,23.25) v3(145.42,25.35) v3(145.42,23.95) v3(145.77,24.65) v3(145.77,23.25) v3(146.12,25.35) v3(146.12,23.95) v3(146.12,22.55) v3(146.47,24.65) v3(146.47,23.25) v3(146.82,25.35) v3(146.82,23.95) v3(146.82,22.55) v3(147.17,24.65) v3(147.17,23.25) v3(147.52,25.35) v3(147.52,23.95) v3(147.52,22.55) v3(147.87,23.25) v3(147.87,21.85) v3(148.22,25.35) v3(148.22,23.95) v3(148.22,22.55) v3(148.57,23.25) v3(148.57,21.85) v3(148.92,25.35) v3(148.92,23.95) v3(148.92,22.55) v3(149.27,24.65) v3(149.27,23.25) v3(149.27,21.85) v3(149.62,25.35) v3(149.62,23.95) v3(149.62,22.55) v3(149.97,23.25) v3(149.97,21.85) v3(150.32,25.35) v3(150.32,23.95) v3(150.32,22.55) v3(150.32,21.15) v3(150.65,24.68) v3(150.67,23.25) v3(150.67,21.85) v3(151.02,25.35) v3(151.02,23.95) v3(151.02,22.55) v3(151.02,21.15) v3(151.37,24.65) v3(151.37,23.25) v3(151.37,21.85) v3(151.72,25.35) v3(151.72,23.95) v3(151.72,22.55) v3(151.72,21.15) v3(152.07,24.65) v3(152.07,23.25) v3(152.07,21.85) v3(152.07,20.45) v3(152.42,25.35) v3(152.42,23.95) v3(152.42,22.55) v3(152.42,21.15) v3(152.77,24.65) v3(152.77,23.25) v3(152.77,21.85) v3(152.77,20.45) v3(153.12,25.35) v3(153.12,23.95) v3(153.12,22.55) v3(153.12,21.15) v3(153.47,24.65) v3(153.47,23.25) v3(153.47,21.85) v3(153.47,20.45) v3(153.82,25.35) v3(153.82,23.95) v3(153.82,22.55) v3(153.82,21.15) v3(154.17,24.65) v3(154.17,23.25) v3(154.17,21.85) v3(154.17,20.45) v3(154.32,19.17) v3(154.32,18.77) v3(154.32,18.37) v3(154.52,25.35) v3(154.52,23.95) v3(154.52,22.55) v3(154.52,21.15) v3(154.72,19.17) v3(154.72,18.77) v3(154.72,18.37) v3(154.87,24.65) v3(154.87,23.25) v3(154.87,21.85) v3(154.87,20.45) v3(155.12,19.17) v3(155.12,18.77) v3(155.12,18.37) v3(155.22,25.35) v3(155.22,23.95) v3(155.22,22.55) v3(155.22,21.15) v3(155.57,24.65) v3(155.57,23.25) v3(155.57,21.85) v3(155.57,20.45) v3(155.52,19.17) v3(155.52,18.77) v3(155.52,18.37) v3(155.92,25.35) v3(155.92,23.95) v3(155.92,22.55) v3(155.92,21.15) v3(155.92,19.17) v3(155.92,18.77) v3(155.92,18.37) v3(156.27,24.65) v3(156.27,23.25) v3(156.27,21.85) v3(156.27,20.45) v3(156.32,19.17) v3(156.32,18.77) v3(156.32,18.37) v3(156.62,25.35) v3(156.62,23.95) v3(156.62,22.55) v3(156.62,21.15) v3(156.72,19.17) v3(156.72,18.77) v3(156.72,18.37) v3(156.97,24.65) v3(156.97,23.25) v3(156.97,21.85) v3(156.97,20.45) v3(157.32,25.35) v3(157.32,23.95) v3(157.32,22.55) v3(157.32,21.15) v3(157.67,24.65) v3(157.67,23.25) v3(157.67,21.85) v3(157.67,20.45) v3(158.02,25.35) v3(158.02,23.95) v3(158.02,22.55) v3(158.02,21.15) v3(158.37,24.65) v3(158.37,23.25) v3(158.37,21.85) v3(158.37,20.45) v3(158.72,25.35) v3(158.72,23.95) v3(158.72,22.55) v3(158.72,21.15) v3(159.07,24.65) v3(159.07,23.25) v3(159.07,21.85) v7(162.15,26.35) v7(162.15,25.78) v7(162.14,25.17) v7(163.43,26.32) v7(163.43,25.75) v7(163.42,25.14) v8(135.12,24.52) v8(135.12,24.1) v8(135.12,23.69) v8(135.12,13.86) v8(135.12,13.44) v8(135.12,13.03) v8(135.12,3.2) v8(135.12,2.78) v8(135.12,2.37)
Net-(D1-A): length 1.5
  Bottom w0.8: D1.2 R1.2
Net-(D2-A): length 1.5
  Bottom w0.8: D2.2 R2.2
Net-(D3-A): length 1.5
  Bottom w0.8: R3.2 D3.2
Net-(D4-A): length 1.5
  Bottom w0.8: R4.2 D4.2

## Copper pours and planes (outline as drawn; the poured copper is in the pictures)
GND on Top, Bottom, In1.Cu, In2.Cu, In3.Cu, In4.Cu, In5.Cu, In6.Cu: -6.25,33.75 173.75,34.75 173.75,-3.25 -6.25,-4.25
P1A on Bottom: 10.19,13.76 6.68,6.54 6.68,4.85 8.3,4.85 15.58,5.93 23.12,5.92 23.12,8.51 13.94,12 13.94,13.76
P1A on In5.Cu: 2.01,13.53 28.06,13.63 28.03,30.07 34.05,30.05 34.17,3.73 2.01,3.82
P1B on Bottom: 157.32,17.76 160.83,24.98 160.83,26.67 159.21,26.67 151.93,25.59 144.39,25.6 144.39,23.01 153.57,19.52 153.57,17.76
P1B on In5.Cu: 165.49,17.97 139.44,17.87 139.47,1.43 133.45,1.45 133.33,27.77 165.49,27.68
P2A on Bottom: 6.83,26.37 6.83,23.95 5.27,19.49 5.27,17.69 13.86,17.7 13.86,19.59 24.15,19.59 24.15,2.18 30.32,2.17 30.34,30.26 23.77,30.28 19.92,26.36
P2B on Bottom: 160.67,5.13 160.67,7.55 162.23,12.01 162.23,13.81 153.64,13.8 153.64,11.91 143.35,11.91 143.35,29.32 137.18,29.33 137.16,1.24 143.73,1.22 147.58,5.14

Small or netless copper shapes (teardrops, artwork), in the pictures only: 4 on Top, 480 on In1.Cu, 275 on In3.Cu, 756 on In5.Cu

## Text on the board
B.Silkscreen: 3.3V | 1.8V | S/N|     |
